# Allegro board HB1A-AAFM.brd (continued)
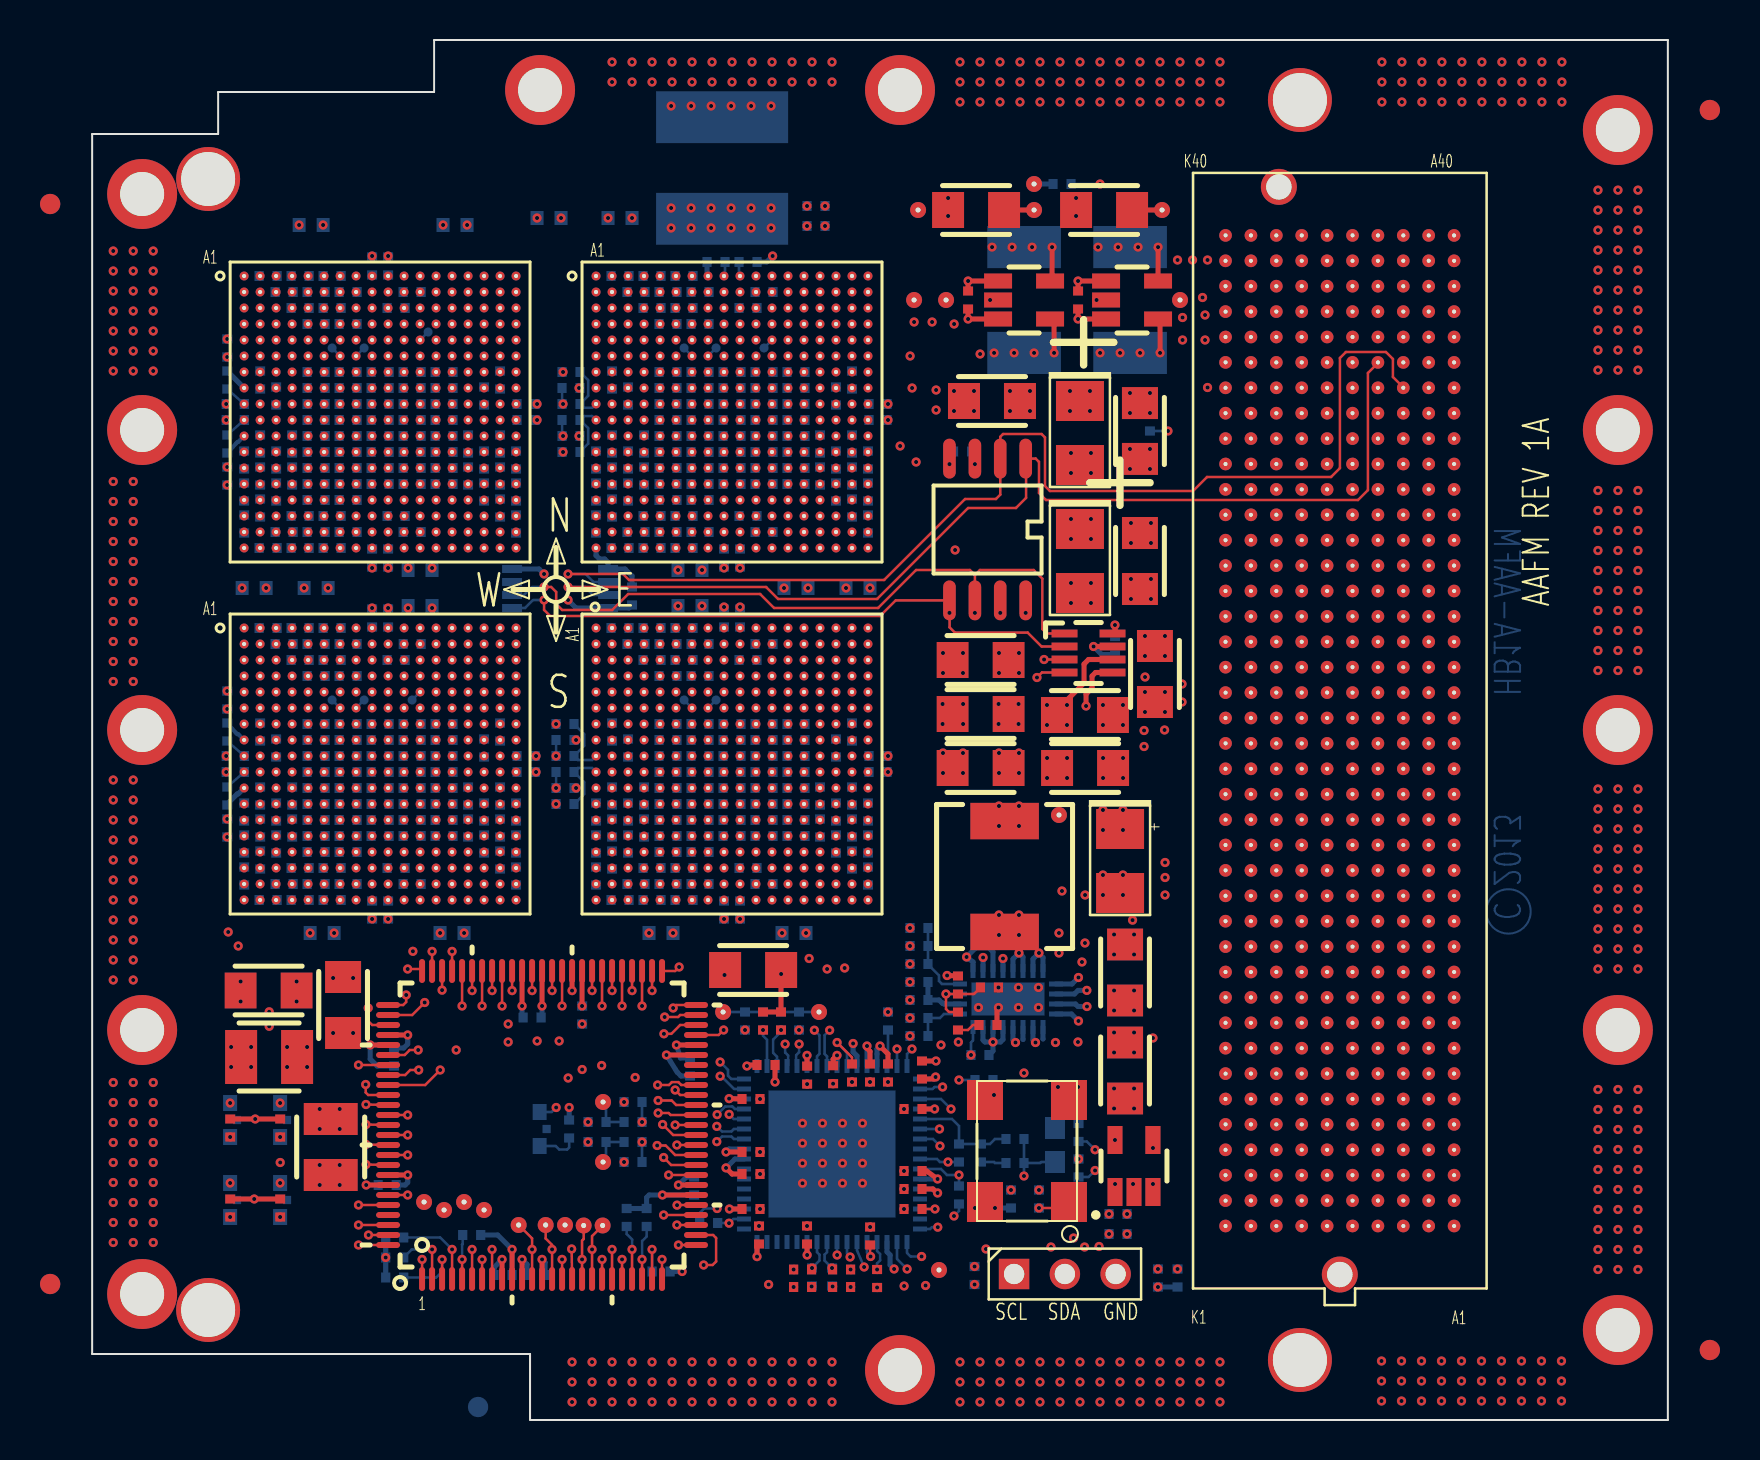
[diagram p0: board, top side]
## Routing (per net, layer and track width the routed paths; a pad name or vN(x,y) marks a point on that pad's centre or on a via; arc(x,y) is an arc through that point) (continued)
GND_EARTH:
  vias: v1(1.05,58.45) v1(1.05,57.45) v1(1.05,56.45) v1(1.05,55.45) v1(1.05,54.45) v1(1.05,53.45) v1(1.05,52.45) v1(1.05,46.92) v1(1.05,45.92) v1(1.05,44.92) v1(1.05,43.92) v1(1.05,42.92) v1(1.05,41.92) v1(1.05,40.92) v1(1.05,39.92) v1(1.05,38.92) v1(1.05,37.92) v1(1.05,36.92) v1(1.05,32) v1(1.05,31) v1(1.05,30) v1(1.05,29) v1(1.05,28) v1(1.05,27) v1(1.05,26) v1(1.05,25) v1(1.05,24) v1(1.05,23) v1(1.05,22) v1(1.05,16.88) v1(1.05,15.88) v1(1.05,14.88) v1(1.05,13.88) v1(1.05,12.88) v1(1.05,11.88) v1(1.05,10.88) v1(1.05,9.88) v1(1.05,8.88) v1(2.05,58.45) v1(2.05,57.45) v1(2.05,56.45) v1(2.05,55.45) v1(2.05,54.45) v1(2.05,53.45) v1(2.05,52.45) v1(2.05,46.92) v1(2.05,45.92) v1(2.05,44.92) v1(2.05,43.92) v1(2.05,42.92) v1(2.05,41.92) v1(2.05,40.92) v1(2.05,39.92) v1(2.05,38.92) v1(2.05,37.92) v1(2.05,36.92) v1(2.05,32) v1(2.05,31) v1(2.05,30) v1(2.05,29) v1(2.05,28) v1(2.05,27) v1(2.05,26) v1(2.05,25) v1(2.05,24) v1(2.05,23) v1(2.05,22) v1(2.05,16.88) v1(2.05,15.88) v1(2.05,14.88) v1(2.05,13.88) v1(2.05,12.88) v1(2.05,11.88) v1(2.05,10.88) v1(2.05,9.88) v1(2.05,8.88) v1(3.05,58.45) v1(3.05,57.45) v1(3.05,56.45) v1(3.05,55.45) v1(3.05,54.45) v1(3.05,53.45) v1(3.05,52.45) v1(3.05,16.88) v1(3.05,15.88) v1(3.05,14.88) v1(3.05,13.88) v1(3.05,12.88) v1(3.05,11.88) v1(3.05,10.88) v1(3.05,9.88) v1(3.05,8.88) v1(24,2.9) v1(24,1.9) v1(24,0.9) v1(25,2.9) v1(25,1.9) v1(25,0.9) v1(26,67.9) v1(26,66.9) v1(26,2.9) v1(26,1.9) v1(26,0.9) v1(27,67.9) v1(27,66.9) v1(27,2.9) v1(27,1.9) v1(27,0.9) v1(28,67.9) v1(28,66.9) v1(28,2.9) v1(28,1.9) v1(28,0.9) v1(29,67.9) v1(29,66.9) v1(28.95,65.7) v1(29,2.9) v1(29,1.9) v1(29,0.9) v1(30,67.9) v1(30,66.9) v1(29.95,65.7) v1(30,2.9) v1(30,1.9) v1(30,0.9) v1(31,67.9) v1(31,66.9) v1(30.95,65.7) v1(31,2.9) v1(31,1.9) v1(31,0.9) v1(32,67.9) v1(32,66.9) v1(31.95,65.7) v1(32,2.9) v1(32,1.9) v1(32,0.9) v1(33,67.9) v1(33,66.9) v1(32.95,65.7) v1(33,2.9) v1(33,1.9) v1(33,0.9) v1(34,67.9) v1(34,66.9) v1(33.95,65.7) v1(34,2.9) v1(34,1.9) v1(34,0.9) v1(35,67.9) v1(35,66.9) v1(35,2.9) v1(35,1.9) v1(35,0.9) v1(36,67.9) v1(36,66.9) v1(36,2.9) v1(36,1.9) v1(36,0.9) v1(37,67.9) v1(37,66.9) v1(37,2.9) v1(37,1.9) v1(37,0.9) v1(43.4,67.9) v1(43.4,66.9) v1(43.4,65.9) v1(43.4,2.9) v1(43.4,1.9) v1(43.4,0.9) v1(44.4,67.9) v1(44.4,66.9) v1(44.4,65.9) v1(44.4,2.9) v1(44.4,1.9) v1(44.4,0.9) v1(45.4,67.9) v1(45.4,66.9) v1(45.4,65.9) v1(45.4,2.9) v1(45.4,1.9) v1(45.4,0.9) v1(46.4,67.9) v1(46.4,66.9) v1(46.4,65.9) v1(46.4,2.9) v1(46.4,1.9) v1(46.4,0.9) v1(47.4,67.9) v1(47.4,66.9) v1(47.4,65.9) v1(47.4,2.9) v1(47.4,1.9) v1(47.4,0.9) v1(48.4,67.9) v1(48.4,66.9) v1(48.4,65.9) v1(48.4,2.9) v1(48.4,1.9) v1(48.4,0.9) v1(49.4,67.9) v1(49.4,66.9) v1(49.4,65.9) v1(49.4,2.9) v1(49.4,1.9) v1(49.4,0.9) v1(50.4,67.9) v1(50.4,66.9) v1(50.4,65.9) v1(50.4,2.9) v1(50.4,1.9) v1(50.4,0.9) v1(51.4,67.9) v1(51.4,66.9) v1(51.4,65.9) v1(51.4,2.9) v1(51.4,1.9) v1(51.4,0.9) v1(52.4,67.9) v1(52.4,66.9) v1(52.4,65.9) v1(52.4,2.9) v1(52.4,1.9) v1(52.4,0.9) v1(53.4,67.9) v1(53.4,66.9) v1(53.4,65.9) v1(53.4,2.9) v1(53.4,1.9) v1(53.4,0.9) v1(54.4,67.9) v1(54.4,66.9) v1(54.4,65.9) v1(54.4,2.9) v1(54.4,1.9) v1(54.4,0.9) v1(55.4,67.9) v1(55.4,66.9) v1(55.4,65.9) v1(55.4,2.9) v1(55.4,1.9) v1(55.4,0.9) v1(56.4,67.9) v1(56.4,66.9) v1(56.4,65.9) v1(56.4,2.9) v1(56.4,1.9) v1(56.4,0.9) v1(64.5,67.9) v1(64.5,66.9) v1(64.5,65.9) v1(64.48,2.95) v1(64.48,1.95) v1(64.48,0.95) v1(65.5,67.9) v1(65.5,66.9) v1(65.5,65.9) v1(65.48,2.95) v1(65.48,1.95) v1(65.48,0.95) v1(66.5,67.9) v1(66.5,66.9) v1(66.5,65.9) v1(66.48,2.95) v1(66.48,1.95) v1(66.48,0.95) v1(67.5,67.9) v1(67.5,66.9) v1(67.5,65.9) v1(67.48,2.95) v1(67.48,1.95) v1(67.48,0.95) v1(68.5,67.9) v1(68.5,66.9) v1(68.5,65.9) v1(68.48,2.95) v1(68.48,1.95) v1(68.48,0.95) v1(69.5,67.9) v1(69.5,66.9) v1(69.5,65.9) v1(69.48,2.95) v1(69.48,1.95) v1(69.48,0.95) v1(70.5,67.9) v1(70.5,66.9) v1(70.5,65.9) v1(70.48,2.95) v1(70.48,1.95) v1(70.48,0.95) v1(71.5,67.9) v1(71.5,66.9) v1(71.5,65.9) v1(71.48,2.95) v1(71.48,1.95) v1(71.48,0.95) v1(72.5,67.9) v1(72.5,66.9) v1(72.5,65.9) v1(72.48,2.95) v1(72.48,1.95) v1(72.48,0.95) v1(73.5,67.9) v1(73.5,66.9) v1(73.5,65.9) v1(73.48,2.95) v1(73.48,1.95) v1(73.48,0.95) v1(75.3,61.49) v1(75.3,60.49) v1(75.3,59.49) v1(75.3,58.49) v1(75.3,57.49) v1(75.3,56.49) v1(75.3,55.49) v1(75.3,54.49) v1(75.3,53.49) v1(75.3,52.49) v1(75.3,46.48) v1(75.3,45.48) v1(75.3,44.48) v1(75.3,43.48) v1(75.3,42.48) v1(75.3,41.48) v1(75.3,40.48) v1(75.3,39.48) v1(75.3,38.48) v1(75.3,37.48) v1(75.3,31.55) v1(75.3,30.55) v1(75.3,29.55) v1(75.3,28.55) v1(75.3,27.55) v1(75.3,26.55) v1(75.3,25.55) v1(75.3,24.55) v1(75.3,23.55) v1(75.3,22.55) v1(75.3,16.52) v1(75.3,15.53) v1(75.3,14.53) v1(75.3,13.53) v1(75.3,12.53) v1(75.3,11.53) v1(75.3,10.53) v1(75.3,9.53) v1(75.3,8.53) v1(75.3,7.53) v1(76.3,61.49) v1(76.3,60.49) v1(76.3,59.49) v1(76.3,58.49) v1(76.3,57.49) v1(76.3,56.49) v1(76.3,55.49) v1(76.3,54.49) v1(76.3,53.49) v1(76.3,52.49) v1(76.3,46.48) v1(76.3,45.48) v1(76.3,44.48) v1(76.3,43.48) v1(76.3,42.48) v1(76.3,41.48) v1(76.3,40.48) v1(76.3,39.48) v1(76.3,38.48) v1(76.3,37.48) v1(76.3,31.55) v1(76.3,30.55) v1(76.3,29.55) v1(76.3,28.55) v1(76.3,27.55) v1(76.3,26.55) v1(76.3,25.55) v1(76.3,24.55) v1(76.3,23.55) v1(76.3,22.55) v1(76.3,16.52) v1(76.3,15.53) v1(76.3,14.53) v1(76.3,13.53) v1(76.3,12.53) v1(76.3,11.53) v1(76.3,10.53) v1(76.3,9.53) v1(76.3,8.53) v1(76.3,7.53) v1(77.31,61.49) v1(77.31,60.49) v1(77.31,59.49) v1(77.31,58.49) v1(77.31,57.49) v1(77.31,56.49) v1(77.31,55.49) v1(77.31,54.49) v1(77.31,53.49) v1(77.31,52.49) v1(77.31,46.48) v1(77.31,45.48) v1(77.31,44.48) v1(77.31,43.48) v1(77.31,42.48) v1(77.31,41.48) v1(77.31,40.48) v1(77.31,39.48) v1(77.31,38.48) v1(77.31,37.48) v1(77.31,31.55) v1(77.31,30.55) v1(77.31,29.55) v1(77.31,28.55) v1(77.31,27.55) v1(77.31,26.55) v1(77.31,25.55) v1(77.31,24.55) v1(77.31,23.55) v1(77.31,22.55) v1(77.31,16.52) v1(77.31,15.53) v1(77.31,14.53) v1(77.31,13.53) v1(77.31,12.53) v1(77.31,11.53) v1(77.31,10.53) v1(77.31,9.53) v1(77.31,8.53) v1(77.31,7.53)
P1V0: length 182.2
  TOP w0.254: U2.5 v1(53.3,58.65) ; C3.1 TP3.1
  PWR_L10 w0.254: 33.67,51.92 U4.H12 ; U4.H12 33.67,51.27 ; U4.H12 34.33,51.27 ; U4.H12 34.33,51.92 ; 12.88,33.67 U7.H8 ; U7.H8 12.88,34.33 ; U7.H8 13.52,33.67 ; U7.H8 13.52,34.33 ; U3.H6 11.92,51.92 ; U3.H6 11.92,51.27 ; U3.H6 11.27,51.27 ; U3.H6 11.27,51.92 ; U7.H6 11.92,33.67 ; U7.H6 11.92,34.33 ; U7.H6 11.27,34.33 ; U7.H6 11.27,33.67 ; U3.J7 12.73,50.48 ; U3.J7 12.07,50.48 ; U3.J7 12.07,51.12 ; U3.J7 12.73,51.12 ; 30.47,30.48 U8.M8 ; U8.M8 31.12,31.12 ; U8.M8 30.47,31.12 ; U8.M8 31.12,30.48 ; 28.88,51.92 U4.H6 ; U4.H6 29.52,51.27 ; U4.H6 29.52,51.92 ; U4.H6 28.88,51.27 ; 31.27,47.92 U4.N9 ; U4.N9 31.27,47.27 ; U4.N9 31.92,47.27 ; U4.N9 31.92,47.92 ; 12.07,30.32 U7.N7 ; U7.N7 12.07,29.68 ; U7.N7 12.73,30.32 ; U7.N7 12.73,29.68 ; 28.88,49.67 U4.K6 ; U4.K6 28.88,50.33 ; U4.K6 29.52,50.33 ; U4.K6 29.52,49.67 ; U3.M12 16.73,48.08 ; U3.M12 16.07,48.08 ; U3.M12 16.07,48.73 ; U3.M12 16.73,48.73 ; 29.67,31.93 U8.L7 ; U8.L7 30.32,31.27 ; U8.L7 29.67,31.27 ; U8.L7 30.32,31.93 ; 13.67,47.27 U3.N9 ; U3.N9 13.67,47.92 ; U3.N9 14.32,47.27 ; U3.N9 14.32,47.92 ; U8.J13 35.12,32.88 ; U8.J13 34.47,32.88 ; U8.J13 35.12,33.52 ; U8.J13 34.47,33.52 ; U7.N9 14.32,30.32 ; U7.N9 13.67,29.68 ; U7.N9 13.67,30.32 ; U7.N9 14.32,29.68 ; 16.88,48.88 U3.L13 ; U3.L13 16.88,49.52 ; U3.L13 17.52,48.88 ; U3.L13 17.52,49.52 ; U8.H8 31.12,34.33 ; U8.H8 31.12,33.67 ; U8.H8 30.47,33.67 ; U8.H8 30.47,34.33 ; U3.N13 17.52,47.27 ; U3.N13 16.88,47.27 ; U3.N13 17.52,47.92 ; U3.N13 16.88,47.92 ; U7.J9 14.32,32.88 ; U7.J9 13.67,32.88 ; U7.J9 13.67,33.52 ; U7.J9 14.32,33.52 ; U8.L11 33.52,31.27 ; U8.L11 32.88,31.27 ; U8.L11 33.52,31.93 ; U8.L11 32.88,31.93 ; U3.H10 15.12,51.92 ; U3.H10 14.48,51.27 ; U3.H10 15.12,51.27 ; U3.H10 14.48,51.92 ; 16.07,32.73 U7.K12 ; U7.K12 16.73,32.08 ; U7.K12 16.73,32.73 ; U7.K12 16.07,32.08 ; U4.M6 29.52,48.73 ; U4.M6 28.88,48.08 ; U4.M6 29.52,48.08 ; U4.M6 28.88,48.73 ; 12.07,31.93 U7.L7 ; U7.L7 12.73,31.27 ; U7.L7 12.07,31.27 ; U7.L7 12.73,31.93 ; U8.K10 32.72,32.73 ; U8.K10 32.08,32.08 ; U8.K10 32.08,32.73 ; U8.K10 32.72,32.08 ; 32.88,32.88 U8.J11 ; U8.J11 33.52,32.88 ; U8.J11 32.88,33.52 ; U8.J11 33.52,33.52 ; U7.L9 14.32,31.93 ; U7.L9 13.67,31.27 ; U7.L9 13.67,31.93 ; U7.L9 14.32,31.27 ; U4.N13 35.12,47.92 ; U4.N13 34.47,47.92 ; U4.N13 35.12,47.27 ; U4.N13 34.47,47.27 ; U3.M10 15.12,48.73 ; U3.M10 15.12,48.08 ; U3.M10 14.48,48.73 ; U3.M10 14.48,48.08 ; 29.67,51.12 U4.J7 ; U4.J7 30.32,50.48 ; U4.J7 29.67,50.48 ; U4.J7 30.32,51.12 ; 16.07,51.92 U3.H12 ; U3.H12 16.07,51.27 ; U3.H12 16.73,51.92 ; U3.H12 16.73,51.27 ; 30.47,48.73 U4.M8 ; U4.M8 30.47,48.08 ; U4.M8 31.12,48.08 ; U4.M8 31.12,48.73 ; 29.67,32.88 U8.J7 ; U8.J7 30.32,32.88 ; U8.J7 29.67,33.52 ; U8.J7 30.32,33.52 ; 53.06,60.05 TP3.1 ; TP3.1 53.06,60.95 ; TP3.1 53.95,60.95 ; TP3.1 53.95,60.05 ; U7.K6 11.92,32.73 ; U7.K6 11.92,32.08 ; U7.K6 11.27,32.73 ; U7.K6 11.27,32.08 ; 33.67,31.12 U8.M12 ; U8.M12 34.33,31.12 ; U8.M12 33.67,30.48 ; U8.M12 34.33,30.48 ; 15.27,33.52 U7.J11 ; U7.J11 15.92,33.52 ; U7.J11 15.92,32.88 ; U7.J11 15.27,32.88 ; 31.27,32.88 U8.J9 ; U8.J9 31.92,33.52 ; U8.J9 31.27,33.52 ; U8.J9 31.92,32.88 ; U4.K10 32.72,50.33 ; U4.K10 32.72,49.67 ; U4.K10 32.08,49.67 ; U4.K10 32.08,50.33 ; U8.N11 33.52,29.68 ; U8.N11 32.88,29.68 ; U8.N11 33.52,30.32 ; U8.N11 32.88,30.32 ; 12.07,48.88 U3.L7 ; U3.L7 12.07,49.52 ; U3.L7 12.73,49.52 ; U3.L7 12.73,48.88 ; U8.N9 31.92,29.68 ; U8.N9 31.92,30.32 ; U8.N9 31.27,30.32 ; U8.N9 31.27,29.68 ; 13.67,49.52 U3.L9 ; U3.L9 13.67,48.88 ; U3.L9 14.32,49.52 ; U3.L9 14.32,48.88 ; 32.88,51.12 U4.J11 ; U4.J11 33.52,51.12 ; U4.J11 33.52,50.48 ; U4.J11 32.88,50.48 ; U8.K8 31.12,32.08 ; U8.K8 31.12,32.73 ; U8.K8 30.47,32.08 ; U8.K8 30.47,32.73 ; U7.M8 13.52,30.48 ; U7.M8 12.88,30.48 ; U7.M8 12.88,31.12 ; U7.M8 13.52,31.12 ; U7.M12 16.73,31.12 ; U7.M12 16.07,30.48 ; U7.M12 16.73,30.48 ; U7.M12 16.07,31.12 ; U4.H10 32.72,51.92 ; U4.H10 32.72,51.27 ; U4.H10 32.08,51.92 ; U4.H10 32.08,51.27 ; U4.K8 31.12,50.33 ; U4.K8 30.47,50.33 ; U4.K8 31.12,49.67 ; U4.K8 30.47,49.67 ; U7.H10 15.12,34.33 ; U7.H10 14.48,33.67 ; U7.H10 15.12,33.67 ; U7.H10 14.48,34.33 ; 16.88,31.27 U7.L13 ; U7.L13 17.52,31.27 ; U7.L13 16.88,31.93 ; U7.L13 17.52,31.93 ; 33.67,32.73 U8.K12 ; U8.K12 34.33,32.08 ; U8.K12 34.33,32.73 ; U8.K12 33.67,32.08 ; 34.47,48.88 U4.L13 ; U4.L13 35.12,49.52 ; U4.L13 35.12,48.88 ; U4.L13 34.47,49.52 ; 29.67,48.88 U4.L7 ; U4.L7 30.32,48.88 ; U4.L7 30.32,49.52 ; U4.L7 29.67,49.52 ; U3.N11 15.92,47.92 ; U3.N11 15.92,47.27 ; U3.N11 15.27,47.92 ; U3.N11 15.27,47.27 ; U7.J13 17.52,32.88 ; U7.J13 16.88,32.88 ; U7.J13 17.52,33.52 ; U7.J13 16.88,33.52 ; U7.M6 11.92,30.48 ; U7.M6 11.27,30.48 ; U7.M6 11.27,31.12 ; U7.M6 11.92,31.12 ; U3.H8 13.52,51.27 ; U3.H8 12.88,51.27 ; U3.H8 13.52,51.92 ; U3.H8 12.88,51.92 ; U4.H8 31.12,51.92 ; U4.H8 31.12,51.27 ; U4.H8 30.47,51.27 ; U4.H8 30.47,51.92 ; 31.27,31.93 U8.L9 ; U8.L9 31.27,31.27 ; U8.L9 31.92,31.93 ; U8.L9 31.92,31.27 ; 34.47,29.68 U8.N13 ; U8.N13 34.47,30.32 ; U8.N13 35.12,30.32 ; U8.N13 35.12,29.68 ; U4.K12 34.33,50.33 ; U4.K12 33.67,50.33 ; U4.K12 33.67,49.67 ; U4.K12 34.33,49.67 ; U8.N7 30.32,29.68 ; U8.N7 30.32,30.32 ; U8.N7 29.67,30.32 ; U8.N7 29.67,29.68 ; U4.L9 31.92,48.88 ; U4.L9 31.27,49.52 ; U4.L9 31.92,49.52 ; U4.L9 31.27,48.88 ; U8.L13 35.12,31.93 ; U8.L13 34.47,31.93 ; U8.L13 35.12,31.27 ; U8.L13 34.47,31.27 ; 14.48,30.48 U7.M10 ; U7.M10 15.12,31.12 ; U7.M10 15.12,30.48 ; U7.M10 14.48,31.12 ; 15.27,31.27 U7.L11 ; U7.L11 15.92,31.93 ; U7.L11 15.27,31.93 ; U7.L11 15.92,31.27 ; 14.48,49.67 U3.K10 ; U3.K10 14.48,50.33 ; U3.K10 15.12,50.33 ; U3.K10 15.12,49.67 ; U4.N7 30.32,47.27 ; U4.N7 29.67,47.27 ; U4.N7 30.32,47.92 ; U4.N7 29.67,47.92 ; 34.47,50.48 U4.J13 ; U4.J13 35.12,50.48 ; U4.J13 34.47,51.12 ; U4.J13 35.12,51.12 ; 32.88,49.52 U4.L11 ; U4.L11 33.52,49.52 ; U4.L11 33.52,48.88 ; U4.L11 32.88,48.88 ; U3.K12 16.73,49.67 ; U3.K12 16.73,50.33 ; U3.K12 16.07,50.33 ; U3.K12 16.07,49.67 ; U7.N13 17.52,29.68 ; U7.N13 16.88,29.68 ; U7.N13 16.88,30.32 ; U7.N13 17.52,30.32 ; 12.07,47.92 U3.N7 ; U3.N7 12.07,47.27 ; U3.N7 12.73,47.92 ; U3.N7 12.73,47.27 ; U3.K8 13.52,49.67 ; U3.K8 12.88,50.33 ; U3.K8 13.52,50.33 ; U3.K8 12.88,49.67 ; U7.J7 12.73,33.52 ; U7.J7 12.07,32.88 ; U7.J7 12.07,33.52 ; U7.J7 12.73,32.88 ; U4.N11 33.52,47.27 ; U4.N11 32.88,47.27 ; U4.N11 32.88,47.92 ; U4.N11 33.52,47.92 ; U8.M10 32.72,30.48 ; U8.M10 32.08,30.48 ; U8.M10 32.72,31.12 ; U8.M10 32.08,31.12 ; 33.67,48.08 U4.M12 ; U4.M12 34.33,48.08 ; U4.M12 33.67,48.73 ; U4.M12 34.33,48.73 ; U7.K8 13.52,32.73 ; U7.K8 13.52,32.08 ; U7.K8 12.88,32.73 ; U7.K8 12.88,32.08 ; U7.N11 15.92,30.32 ; U7.N11 15.92,29.68 ; U7.N11 15.27,30.32 ; U7.N11 15.27,29.68 ; U3.M8 13.52,48.08 ; U3.M8 12.88,48.08 ; U3.M8 12.88,48.73 ; U3.M8 13.52,48.73 ; U7.K10 15.12,32.08 ; U7.K10 14.48,32.08 ; U7.K10 14.48,32.73 ; U7.K10 15.12,32.73 ; 11.27,50.33 U3.K6 ; U3.K6 11.92,50.33 ; U3.K6 11.27,49.67 ; U3.K6 11.92,49.67 ; U4.J9 31.92,50.48 ; U4.J9 31.27,50.48 ; U4.J9 31.92,51.12 ; U4.J9 31.27,51.12 ; U8.K6 29.52,32.08 ; U8.K6 29.52,32.73 ; U8.K6 28.88,32.08 ; U8.K6 28.88,32.73 ; 28.88,33.67 U8.H6 ; U8.H6 29.52,34.33 ; U8.H6 28.88,34.33 ; U8.H6 29.52,33.67 ; U8.M6 29.52,31.12 ; U8.M6 29.52,30.48 ; U8.M6 28.88,31.12 ; U8.M6 28.88,30.48 ; U8.H12 34.33,33.67 ; U8.H12 34.33,34.33 ; U8.H12 33.67,33.67 ; U8.H12 33.67,34.33 ; 13.67,50.48 U3.J9 ; U3.J9 13.67,51.12 ; U3.J9 14.32,51.12 ; U3.J9 14.32,50.48 ; U3.J11 15.92,50.48 ; U3.J11 15.27,51.12 ; U3.J11 15.92,51.12 ; U3.J11 15.27,50.48 ; U3.J13 17.52,50.48 ; U3.J13 17.52,51.12 ; U3.J13 16.88,51.12 ; U3.J13 16.88,50.48 ; U4.M10 32.72,48.73 ; U4.M10 32.08,48.08 ; U4.M10 32.72,48.08 ; U4.M10 32.08,48.73 ; U3.L11 15.92,48.88 ; U3.L11 15.27,49.52 ; U3.L11 15.92,49.52 ; U3.L11 15.27,48.88 ; 32.08,33.67 U8.H10 ; U8.H10 32.08,34.33 ; U8.H10 32.72,34.33 ; U8.H10 32.72,33.67 ; U3.M6 11.92,48.73 ; U3.M6 11.27,48.73 ; U3.M6 11.27,48.08 ; U3.M6 11.92,48.08 ; 16.07,33.67 U7.H12 ; U7.H12 16.73,33.67 ; U7.H12 16.73,34.33 ; U7.H12 16.07,34.33
  vias: v1(8.7,41.6) v1(12.1,24.35) v1(17,42.6) v1(18.75,59.75) v1(27,60.1) v1(29.05,24.35) v1(30.5,40.7) v1(35.8,41.6) v1(50.3,58.65) v1(51.3,58.65) v1(52.3,58.65)
P1V0_LOC: length 9
  TOP w0.254: C12.1 v1(48.75,35.75) 48.75,35.99 49.6,36.85 49.6,37.8 49.83,38.02 U6.6 ; v1(53.41,53.35) 53.41,55.05 U2.4
  PWR_L17 w0.254: 47.9,29.8 TP6.1 ; TP6.1 48.8,30.7 ; TP6.1 48.8,29.8 ; TP6.1 47.9,30.7
  vias: v1(40.9,21.9) v1(45.33,35.8) v1(45.33,34.8) v1(45.35,33.35) v1(45.35,32.35) v1(45.35,30.7) v1(45.35,29.7) v1(46.33,35.8) v1(46.33,34.8) v1(46.35,33.35) v1(46.35,32.35) v1(46.35,30.7) v1(46.35,29.7) v1(47.75,35.75) v1(47.75,34.75) v1(47.75,33.1) v1(47.75,32.1) v1(48.75,34.75) v1(48.75,33.1) v1(48.75,32.1) v1(50.41,53.35) v1(50.55,30.5) v1(50.55,29.5) v1(51.41,53.35) v1(51.55,30.5) v1(51.55,29.5) v1(52.41,53.35)
P2V5: length 124.5
  TOP w0.254: v1(48,58.65) 48,56.95 U1.5 ; C1.1 TP7.1
  PWR_L17 w0.254: U7.L5 11.12,31.93 ; U7.L5 11.12,31.27 ; U7.L5 10.48,31.93 ; U7.L5 10.48,31.27 ; U8.G7 30.32,34.48 ; U8.G7 30.32,35.12 ; U8.G7 29.67,34.48 ; U8.G7 29.67,35.12 ; U4.P14 35.92,46.48 ; U4.P14 35.27,46.48 ; U4.P14 35.92,47.12 ; U4.P14 35.27,47.12 ; U7.K14 18.32,32.08 ; U7.K14 18.32,32.73 ; U7.K14 17.67,32.08 ; U7.K14 17.67,32.73 ; U7.G5 11.12,34.48 ; U7.G5 10.48,35.12 ; U7.G5 11.12,35.12 ; U7.G5 10.48,34.48 ; U7.G13 17.52,34.48 ; U7.G13 17.52,35.12 ; U7.G13 16.88,34.48 ; U7.G13 16.88,35.12 ; U7.M14 18.32,31.12 ; U7.M14 17.67,31.12 ; U7.M14 17.67,30.48 ; U7.M14 18.32,30.48 ; 46.66,60.05 TP7.1 ; TP7.1 47.55,60.95 ; TP7.1 46.66,60.95 ; TP7.1 47.55,60.05 ; 28.88,28.88 U8.P6 ; U8.P6 29.52,28.88 ; U8.P6 29.52,29.52 ; U8.P6 28.88,29.52 ; U7.P14 18.32,29.52 ; U7.P14 18.32,28.88 ; U7.P14 17.67,28.88 ; U7.P14 17.67,29.52 ; U3.G7 12.73,52.08 ; U3.G7 12.07,52.73 ; U3.G7 12.07,52.08 ; U3.G7 12.73,52.73 ; 28.07,33.52 U8.J5 ; U8.J5 28.07,32.88 ; U8.J5 28.72,32.88 ; U8.J5 28.72,33.52 ; U4.G9 31.92,52.73 ; U4.G9 31.27,52.08 ; U4.G9 31.27,52.73 ; U4.G9 31.92,52.08 ; U7.G11 15.92,35.12 ; U7.G11 15.27,35.12 ; U7.G11 15.27,34.48 ; U7.G11 15.92,34.48 ; 10.48,33.52 U7.J5 ; U7.J5 11.12,33.52 ; U7.J5 10.48,32.88 ; U7.J5 11.12,32.88 ; U8.G9 31.92,34.48 ; U8.G9 31.27,35.12 ; U8.G9 31.92,35.12 ; U8.G9 31.27,34.48 ; 30.47,47.12 U4.P8 ; U4.P8 31.12,46.48 ; U4.P8 31.12,47.12 ; U4.P8 30.47,46.48 ; 35.27,33.67 U8.H14 ; U8.H14 35.92,33.67 ; U8.H14 35.92,34.33 ; U8.H14 35.27,34.33 ; 15.27,52.08 U3.G11 ; U3.G11 15.92,52.73 ; U3.G11 15.27,52.73 ; U3.G11 15.92,52.08 ; 12.88,28.88 U7.P8 ; U7.P8 12.88,29.52 ; U7.P8 13.52,29.52 ; U7.P8 13.52,28.88 ; U4.G5 28.72,52.73 ; U4.G5 28.07,52.73 ; U4.G5 28.07,52.08 ; U4.G5 28.72,52.08 ; 35.27,29.52 U8.P14 ; U8.P14 35.92,29.52 ; U8.P14 35.92,28.88 ; U8.P14 35.27,28.88 ; 35.27,32.73 U8.K14 ; U8.K14 35.27,32.08 ; U8.K14 35.92,32.73 ; U8.K14 35.92,32.08 ; U8.M14 35.92,31.12 ; U8.M14 35.27,30.48 ; U8.M14 35.27,31.12 ; U8.M14 35.92,30.48 ; 32.88,35.12 U8.G11 ; U8.G11 33.52,35.12 ; U8.G11 33.52,34.48 ; U8.G11 32.88,34.48 ; U7.P10 15.12,29.52 ; U7.P10 14.48,28.88 ; U7.P10 15.12,28.88 ; U7.P10 14.48,29.52 ; 32.08,47.12 U4.P10 ; U4.P10 32.72,46.48 ; U4.P10 32.08,46.48 ; U4.P10 32.72,47.12 ; 10.48,51.12 U3.J5 ; U3.J5 11.12,50.48 ; U3.J5 11.12,51.12 ; U3.J5 10.48,50.48 ; U8.P8 31.12,29.52 ; U8.P8 31.12,28.88 ; U8.P8 30.47,28.88 ; U8.P8 30.47,29.52 ; 10.48,49.52 U3.L5 ; U3.L5 10.48,48.88 ; U3.L5 11.12,48.88 ; U3.L5 11.12,49.52 ; 17.67,48.73 U3.M14 ; U3.M14 18.32,48.73 ; U3.M14 18.32,48.08 ; U3.M14 17.67,48.08 ; U7.P6 11.92,28.88 ; U7.P6 11.27,29.52 ; U7.P6 11.92,29.52 ; U7.P6 11.27,28.88 ; U4.J5 28.72,50.48 ; U4.J5 28.07,51.12 ; U4.J5 28.07,50.48 ; U4.J5 28.72,51.12 ; U8.G13 35.12,35.12 ; U8.G13 34.47,35.12 ; U8.G13 35.12,34.48 ; U8.G13 34.47,34.48 ; 33.67,47.12 U4.P12 ; U4.P12 34.33,46.48 ; U4.P12 33.67,46.48 ; U4.P12 34.33,47.12 ; 17.67,49.67 U3.K14 ; U3.K14 18.32,50.33 ; U3.K14 18.32,49.67 ; U3.K14 17.67,50.33 ; U4.M14 35.92,48.73 ; U4.M14 35.92,48.08 ; U4.M14 35.27,48.73 ; U4.M14 35.27,48.08 ; 28.07,48.88 U4.L5 ; U4.L5 28.72,48.88 ; U4.L5 28.07,49.52 ; U4.L5 28.72,49.52 ; U3.P10 15.12,47.12 ; U3.P10 14.48,46.48 ; U3.P10 14.48,47.12 ; U3.P10 15.12,46.48 ; U3.P14 18.32,46.48 ; U3.P14 17.67,46.48 ; U3.P14 17.67,47.12 ; U3.P14 18.32,47.12 ; 13.67,35.12 U7.G9 ; U7.G9 14.32,35.12 ; U7.G9 13.67,34.48 ; U7.G9 14.32,34.48 ; 12.88,47.12 U3.P8 ; U3.P8 12.88,46.48 ; U3.P8 13.52,46.48 ; U3.P8 13.52,47.12 ; U3.N5 11.12,47.92 ; U3.N5 11.12,47.27 ; U3.N5 10.48,47.27 ; U3.N5 10.48,47.92 ; U7.N5 11.12,29.68 ; U7.N5 10.48,30.32 ; U7.N5 10.48,29.68 ; U7.N5 11.12,30.32 ; U3.G5 11.12,52.73 ; U3.G5 10.48,52.08 ; U3.G5 10.48,52.73 ; U3.G5 11.12,52.08 ; 28.07,30.32 U8.N5 ; U8.N5 28.72,30.32 ; U8.N5 28.72,29.68 ; U8.N5 28.07,29.68 ; 29.67,52.73 U4.G7 ; U4.G7 29.67,52.08 ; U4.G7 30.32,52.08 ; U4.G7 30.32,52.73 ; U4.N5 28.72,47.27 ; U4.N5 28.72,47.92 ; U4.N5 28.07,47.92 ; U4.N5 28.07,47.27 ; U7.P12 16.73,29.52 ; U7.P12 16.07,28.88 ; U7.P12 16.07,29.52 ; U7.P12 16.73,28.88 ; 17.67,33.67 U7.H14 ; U7.H14 17.67,34.33 ; U7.H14 18.32,33.67 ; U7.H14 18.32,34.33 ; U3.G9 14.32,52.73 ; U3.G9 13.67,52.08 ; U3.G9 13.67,52.73 ; U3.G9 14.32,52.08 ; U8.P10 32.72,28.88 ; U8.P10 32.08,29.52 ; U8.P10 32.08,28.88 ; U8.P10 32.72,29.52 ; U3.P12 16.73,46.48 ; U3.P12 16.07,46.48 ; U3.P12 16.73,47.12 ; U3.P12 16.07,47.12 ; 34.47,52.08 U4.G13 ; U4.G13 35.12,52.08 ; U4.G13 34.47,52.73 ; U4.G13 35.12,52.73 ; 33.67,29.52 U8.P12 ; U8.P12 33.67,28.88 ; U8.P12 34.33,28.88 ; U8.P12 34.33,29.52 ; U4.K14 35.92,49.67 ; U4.K14 35.27,49.67 ; U4.K14 35.27,50.33 ; U4.K14 35.92,50.33 ; U3.G13 17.52,52.08 ; U3.G13 17.52,52.73 ; U3.G13 16.88,52.08 ; U3.G13 16.88,52.73 ; 28.07,31.93 U8.L5 ; U8.L5 28.72,31.93 ; U8.L5 28.07,31.27 ; U8.L5 28.72,31.27 ; 17.67,51.92 U3.H14 ; U3.H14 18.32,51.27 ; U3.H14 17.67,51.27 ; U3.H14 18.32,51.92 ; 28.88,46.48 U4.P6 ; U4.P6 29.52,47.12 ; U4.P6 28.88,47.12 ; U4.P6 29.52,46.48 ; 11.27,46.48 U3.P6 ; U3.P6 11.92,46.48 ; U3.P6 11.27,47.12 ; U3.P6 11.92,47.12 ; 35.27,51.92 U4.H14 ; U4.H14 35.27,51.27 ; U4.H14 35.92,51.27 ; U4.H14 35.92,51.92 ; 32.88,52.08 U4.G11 ; U4.G11 32.88,52.73 ; U4.G11 33.52,52.73 ; U4.G11 33.52,52.08 ; U8.G5 28.72,35.12 ; U8.G5 28.07,34.48 ; U8.G5 28.07,35.12 ; U8.G5 28.72,34.48 ; 12.07,35.12 U7.G7 ; U7.G7 12.07,34.48 ; U7.G7 12.73,34.48 ; U7.G7 12.73,35.12
  BOTTOM w0.254: R74.1 33.73,57.9 v1(34.03,58.2) ; v1(22.25,50) R172.1
  vias: v1(11.55,59.75) v1(11.8,41.6) v1(14,42.6) v1(14,25.05) v1(14.8,58.2) v1(14.8,40.6) v1(17,40.6) v1(18.6,24.35) v1(22.2,32.4) v1(23.45,60.1) v1(30.5,42.5) v1(31.6,42.6) v1(31.6,25.05) v1(32.4,40.65) v1(35.7,24.35) v1(38.9,41.6) v1(39.8,50) v1(39.8,32.4) v1(45,58.65) v1(46,58.65) v1(47,58.65)
P3V3: length 57.3
  TOP w0.254: C22.1 32.8,17.75 v1(32.74,17.7) ; C27.1 37.05,18.04 v1(37.25,18.23) ; C37.1 v1(31.87,10.55) ; R8.1 v1(8.1,11.05) R6.1 ; v1(34.45,22.3) 34.45,22.3 R4.2 R3.2 ; U2.3 v1(49.3,55.05) C2.1 ; v1(42.28,12.05) 41.73,12.45 C33.1 ; C39.1 33.25,8.7 v1(33.25,8.17) ; C35.1 42.05,11.55 42.25,11.35 v1(42.28,11.35) ; C23.1 42.08,17.05 v1(42.18,17.15) ; R2.1 v1(42.75,22.23) ; C4.1 v1(43.8,55.05) U1.3 ; R11.1 v1(8.16,15.05) R10.1 ; C25.1 38.9,18.43 38.75,18.58 v1(38.75,18.7) ; v1(31.7,12.6) 32,12.3 C34.1 ; v1(39.4,18.7) 39.8,18.3 C26.1 ; C32.1 v1(31.7,13.4) ; 35.75,17.7 v1(35.75,18.23) ; C40.1 v1(35.75,8.25) ; C31.1 v1(42.13,15.55) ; C29.1 v1(31.85,16.07)
  P3V3_L6 w0.254: P1.D40 64.69,58.84 ; P1.D40 64.69,59.62 ; P1.D40 63.91,59.62 ; P1.D40 63.91,58.84 ; P1.D36 64.69,53.76 ; P1.D36 64.69,54.54 ; P1.D36 63.91,53.76 ; P1.D36 63.91,54.54 ; 63.91,57.08 P1.D38 ; P1.D38 63.91,56.3 ; P1.D38 64.69,57.08 ; P1.D38 64.69,56.3 ; 65.18,57.57 P1.C39 ; P1.C39 65.18,58.35 ; P1.C39 65.96,58.35 ; P1.C39 65.96,57.57 ; TP5.1 41.55,56.45 ; TP5.1 40.66,55.55 ; TP5.1 41.55,55.55 ; TP5.1 40.66,56.45
  BOTTOM w0.254: U12.46 v1(31.85,16.07) ; U12.41 31.85,13.55 v1(31.7,13.4) ; U11.19 44.55,19 44.65,18.9 v1(45.05,18.9) ; U12.35 v1(31.87,10.55) ; U12.49 v1(32.74,17.7) ; C46.1 v1(45.15,10.6) ; v1(42.28,11.35) 42,11.55 U12.12 ; U11.11 49.17,20.8 49.3,20.68 v1(49.75,20.68) ; U11.18 v1(45.05,18.9) ; v1(45.05,18.9) 45.05,18.45 R24.1 ; v1(45.05,18.9) 45.42,18.9 45.55,19.02 U11.17 ; U11.4 v1(45.55,23.07) ; R9.1 v1(23.85,15.62) ; v1(39.4,18.7) 39.25,18.55 U12.61 ; U12.57 v1(37.25,18.23) ; U12.11 v1(42.28,12.05) ; U12.1 41.88,17.05 v1(42.18,17.15) ; R14.2 v1(53.3,6.65) ; U12.54 v1(35.75,18.23) ; U12.32 v1(33.25,8.17) ; U11.10 49.12,21.3 49.31,21.48 v1(49.74,21.48) ; v1(31.7,12.6) 32.15,13.05 U12.40 ; U12.60 v1(38.75,18.7) ; U12.27 v1(35.75,8.25) ; U11.2 v1(44.55,23.12) ; U12.4 v1(42.13,15.55)
  vias: v1(6.75,54.05) v1(6.75,46.75) v1(6.75,36.45) v1(6.75,29.15) v1(10.23,21.93) v1(10.23,20.93) v1(12.05,19.35) v1(13.05,19.35) v1(24.2,34) v1(24.2,31.6) v1(24.35,51.6) v1(24.35,49.2) v1(26.6,15.9) v1(26.6,12.9) v1(35.08,7.53) v1(37.93,7.53) v1(40.9,24.6) v1(40.9,19.2) v1(42.55,38.35) v1(42.55,37.35) v1(43.55,38.35) v1(43.55,37.35) v1(44.13,6.78) v1(44.15,10.6) v1(47.35,11.5) v1(48.95,45.05) v1(48.95,44.05) v1(49.95,45.05) v1(49.95,44.05) v1(51.1,24.27) v1(51.1,23.27) v1(51.1,16.57) v1(51.1,15.57) v1(51.16,11.8) v1(51.95,44.85) v1(51.95,43.85) v1(52.1,24.27) v1(52.1,23.27) v1(52.1,16.57) v1(52.1,15.57) v1(52.95,44.85) v1(52.95,43.85)
P3V3_AUX: length 7.4
  TOP w0.254: v1(51.15,39.75) 51.13,39.73 51.16,39.7 51.16,39.45 U6.8
  PWR_L2 w0.254: 63.91,48.68 P1.D32 ; P1.D32 63.91,49.46 ; P1.D32 64.69,49.46 ; P1.D32 64.69,48.68
  BOTTOM w0.254: C47.1 44.16,48.25 44.16,47.8 v1(44.14,47.79) ; v1(23.8,41) 24.2,40.6 U13.8 26.85,40.6 C137.1 ; v1(51.15,39.75) 51.16,39.74 C42.1
  vias: v1(46.69,40.36) v1(52.65,39.2) v1(52.65,38.2) v1(53.65,39.2) v1(53.65,38.2)
12P0V: length 3.1
  SIGNAL_L4-Y w0.254: P1.C35 65.58,52.88 66.2,53.5 66.2,54.79 P1.C37
CLK_CPLD_CTRL_0: length 30.8
  TOP w0.127: U9.73 v1(17.5,21.49)
  SIGNAL_L12-X w0.089: v1(42.4,13.7) 39.9,13.7 39.25,14.35 33.75,14.35 32.42,15.68 30.75,15.68 30.46,15.97 29.08,15.97 28.7,16.35 27.88,16.35 27.83,16.4 22.5,16.4 18.89,20.02 18.89,20.86 18.66,21.09 17.81,21.09 17.5,21.41 v1(17.5,21.49)
  BOTTOM w0.127: U12.7 42.05,14.05 v1(42.4,13.7)
CLK_CPLD_CTRL_1: length 32.6
  TOP w0.127: U9.74 v1(17,23.43)
  SIGNAL_L12-X w0.089: v1(38.6,7.65) 38.41,8.09 38.41,9.28 36.63,11.05 33.15,11.05 32.35,11.85 31.03,11.85 29.63,13.25 29.18,13.25 28.83,13.6 28.83,13.68 28.41,14.1 27.83,14.1 27.66,14.28 26.16,14.28 24.38,16.05 22.35,16.05 17.48,20.92 17.3,20.92 17,21.22 v1(17,23.43)
  BOTTOM w0.127: v1(38.6,7.65) 38.25,8.48 U12.22
CLK_CPLD_CTRL_2: length 32.1
  TOP w0.127: v1(15.78,22.55) 16.4,22.55 U9.75
  SIGNAL_L12-X w0.089: v1(37.91,8.15) 37.91,9.22 36.98,10.15 33.15,10.15 32.8,10.5 32.8,10.75 32.04,11.51 30.45,11.51 29.2,12.75 27.92,12.75 27.22,13.45 23.55,13.45 22.3,14.7 22.3,15.6 17.91,20 16.48,20 16.16,20.32 16.16,22.18 v1(15.78,22.55)
  BOTTOM w0.127: U12.23 37.75,8.3 v1(37.91,8.15)
CLK_CPLD_CTRL_3: length 30.9
  TOP w0.127: U9.76 15.55,20.75 15.7,20.9 v1(15.7,21.25)
  SIGNAL_L12-X w0.089: v1(37.25,8.25) 36.5,8.95 33.25,8.95 32.4,9.8 32.4,10.75 31.86,11.29 29.11,11.29 28.65,11.75 25.75,11.75 24.6,12.9 23.28,12.9 21.64,14.54 21.64,15.76 17.7,19.7 16.08,19.7 15.7,20.07 v1(15.7,21.25)